# Altium PCB GridSeed.PcbDoc (part 3 of 4) (continued)
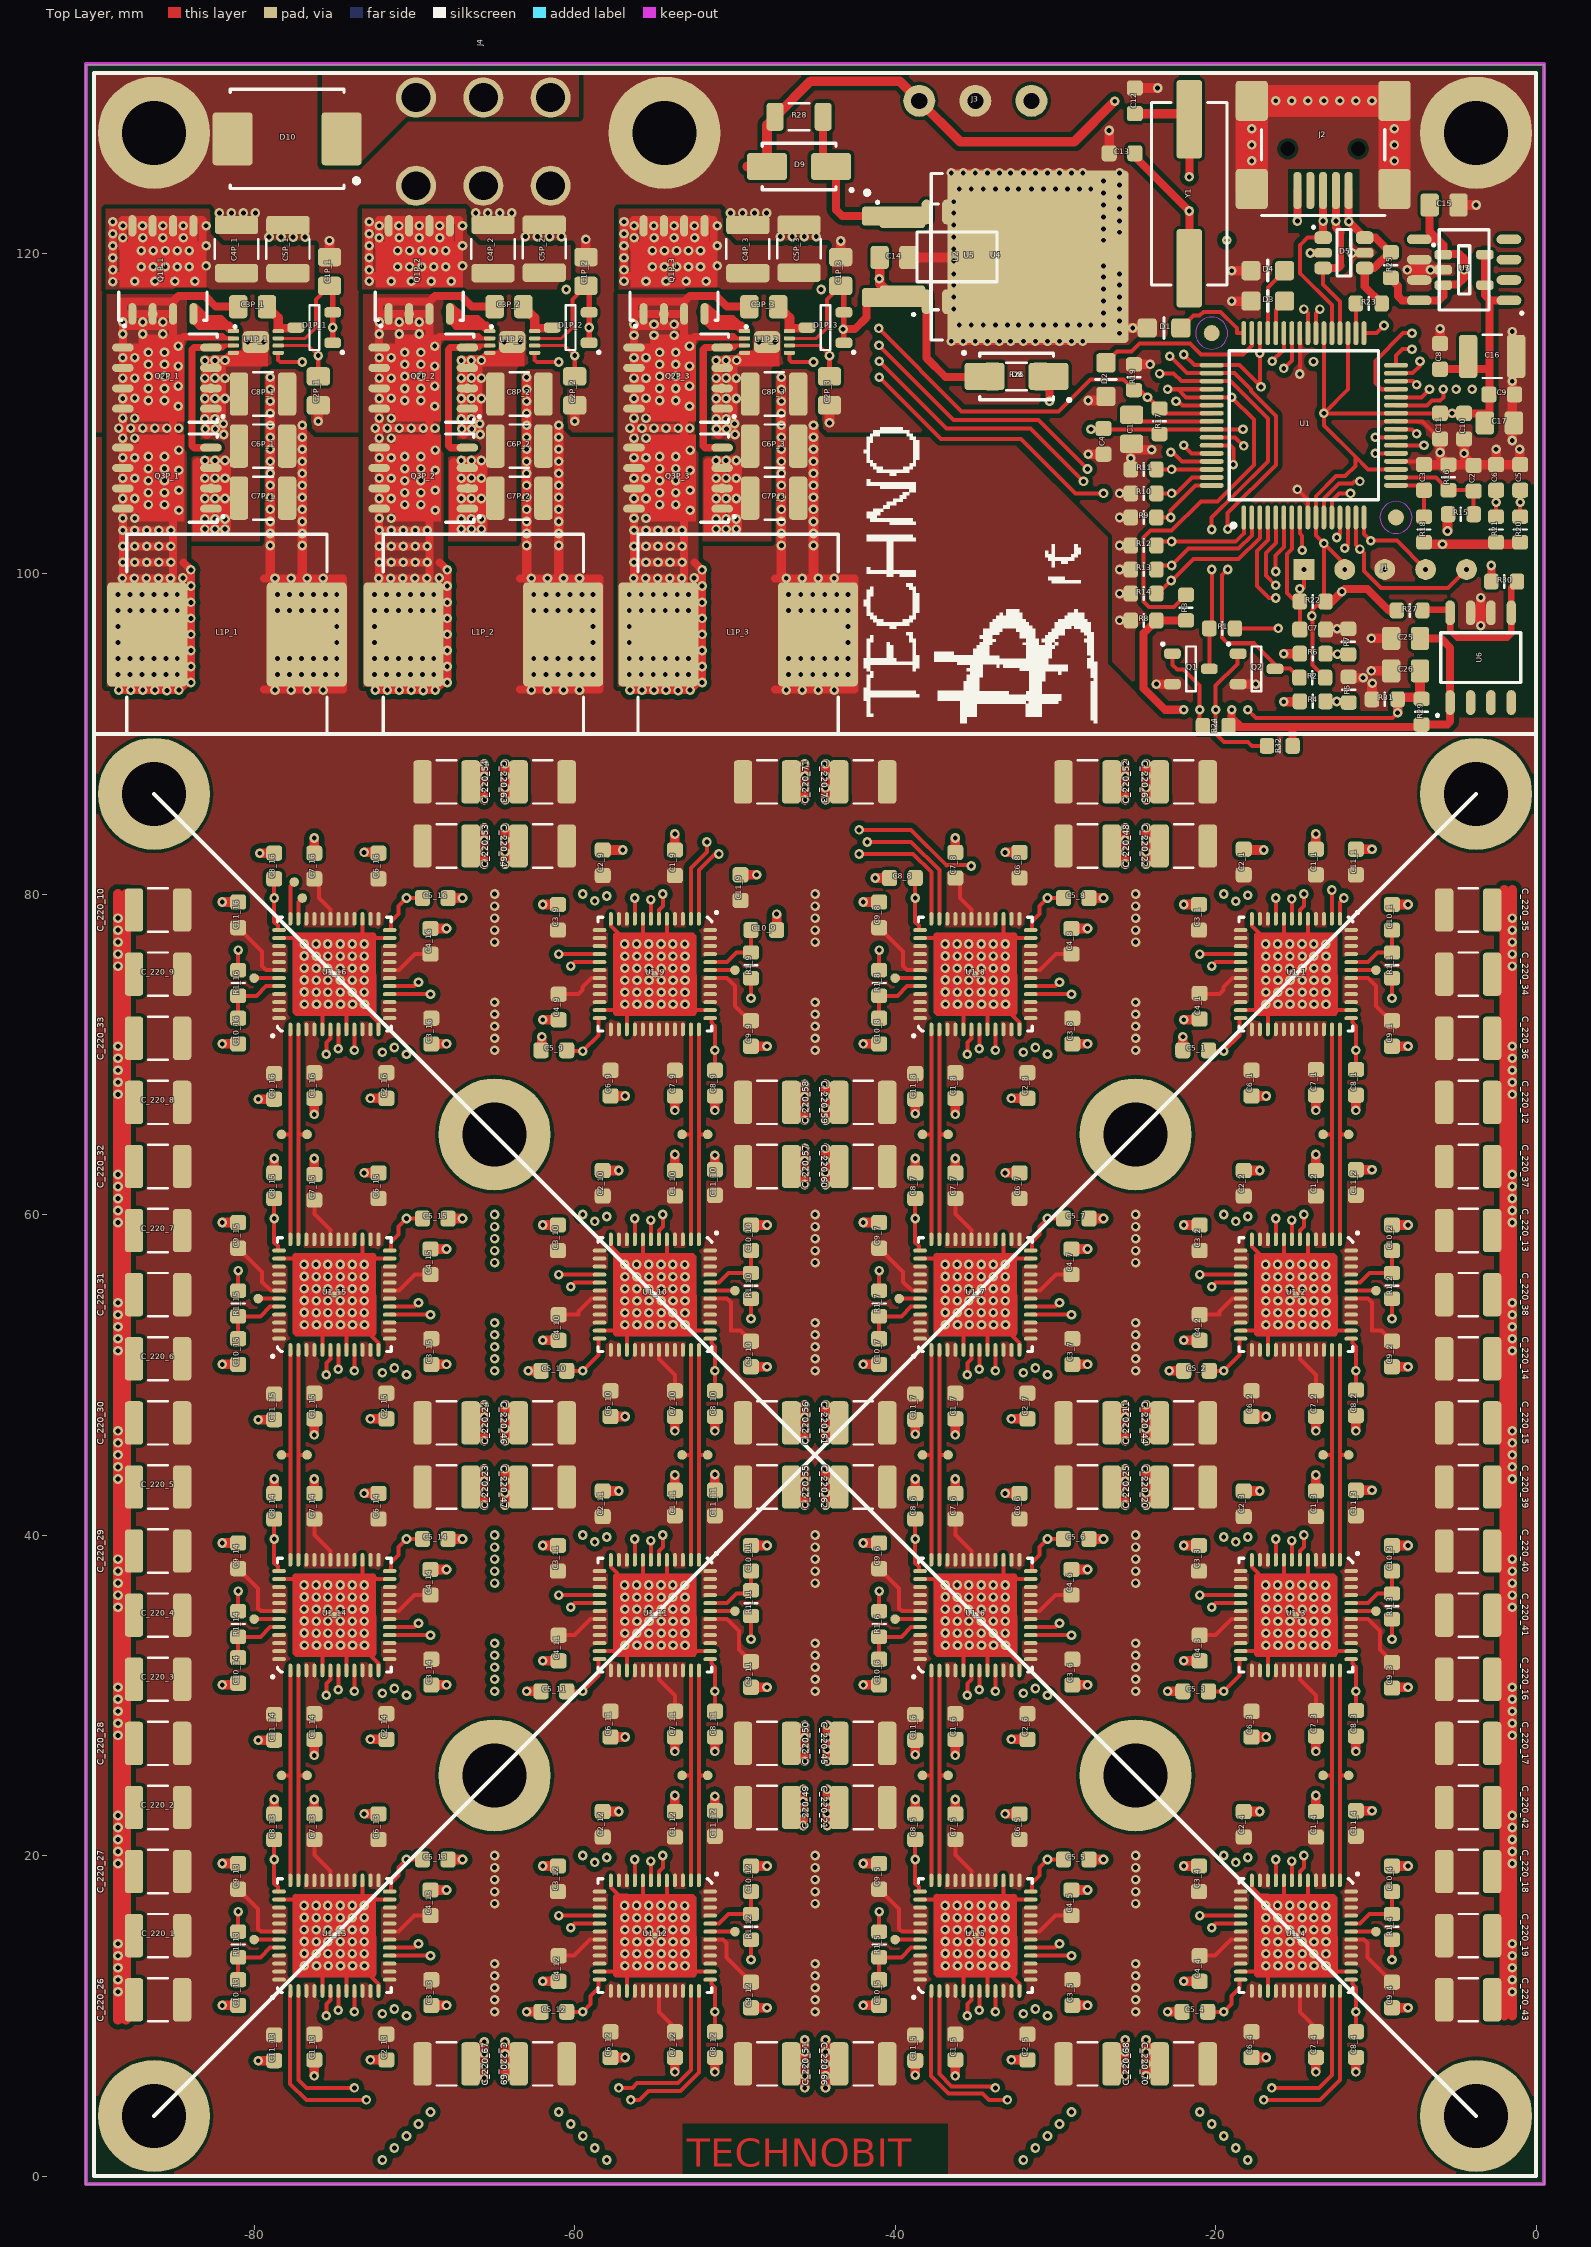
[diagram p0: Top Layer view]
## Nets (pads, with @x,y where several pads share a name; then routed paths per layer and width w, separated by ;. In a path a pad name is that pad's centre, name@x,y a point inside that pad or via, vN(x,y) a via of type N, cw(c..) or ccw(c..) an arc to the next point about the centre after c; other vN are vias at no path point) (continued)
  Top Layer w0.6: -88.5,9.75 v1(-88.5,30.5) v1(-88.5,51.5) v1(-88.5,59.5) v1(-88.5,61.75) v1(-88.5,69) v1(-88.5,70.5) v1(-88.5,78.5) -88.5,80 ; C_220_26.2@-88,9.75 -88,15 -88,20.25 -88,22.5 -88,28.25 -88,36.25 -88,39 -88,44.25 -88,51 -88,54.5 -88,59 -88,61 -88,67 -88,67.5 -88,70.5 -88,75 -88,76.25 -88,78.5 C_220_10.2@-88,80 ; -83.55,102.7 -83.55,104.045 -83.55,106.95 ; v1@-82.95,102.95 -82.95,105.955 v1@-82.95,107.048 ; -82.95,108.7 -82.95,110.925 -82.95,112.195 -82.95,112.83 v1@-82.95,113.293 ; -82.75,102.7 -82.75,104.68 -82.75,105.315 -82.75,106.95 ; v1@-82.245,113.293 -82.238,113.3 v1@-82.075,113.3 ; v1@-82.045,102.7 -82.045,105.315 -82.045,107.048 -82.038,107.055 v1@-81.875,107.055 ; v1@-82.045,108.7 -82.045,109.65 v1@-82.045,113.293 ; v1(-82,10.65) C10_13.2@-81,10.65 ; v1(-82,19.5) C9_13.2@-81,19.5 ; v1(-82,30.65) C10_14.2@-81,30.65 ; v1(-82,39.5) C9_14.2@-81,39.5 ; v1(-82,50.65) C10_15.2@-81,50.65 ; v1(-82,59.5) C9_15.2@-81,59.5 ; v1(-82,70.65) C10_16.2@-81,70.65 ; v1(-82,79.5) C11_16.2@-81,79.5 ; v1@-81.75,102.775 -81.75,105.95 v1@-81.75,106.95 ; v1(-79.75,7.2) C11_13.2@-78.75,7.2 ; v1(-79.75,27.2) C11_14.2@-78.75,27.2 ; v1(-79.75,47.2) C11_15.2@-78.75,47.2 ; v1(-79.75,67.2) C9_16.2@-78.75,67.2 ; v1(-79.65,82.55) C8_16.2@-78.75,82.55 ; C8_13.2@-78.75,22.6 v1(-78.75,23.5) ; C8_14.2@-78.75,42.6 v1(-78.75,43.5) ; C8_15.2@-78.75,62.6 v1(-78.75,63.5) ; v1(-76.25,6.25) C1_13.2@-76.25,7.25 ; C7_13.2@-76.25,22.6 v1(-76.25,23.5) ; v1(-76.25,26.25) C1_14.2@-76.25,27.25 ; C7_14.2@-76.25,42.6 v1(-76.25,43.5) ; v1(-76.25,46.25) C1_15.2@-76.25,47.25 ; C7_15.2@-76.25,62.6 v1(-76.25,63.5) ; v1(-76.25,66.25) C1_16.2@-76.25,67.25 ; C7_16.2@-76.25,82.6 v1(-76.25,83.5) ; v1(-76,109.5) C2P_1.2@-76,110.5 ; C1P_1.1@-75.3,119.775 v1(-75.3,120.775) ; v1(-73.143,22.6) C6_13.2@-72.243,22.6 ; v1(-73.143,42.6) C6_14.2@-72.243,42.6 ; v1(-73.143,62.6) C6_15.2@-72.243,62.6 ; v1(-73.143,82.6) C6_16.2@-72.243,82.6 ; v1(-72.75,7.25) C2_13.2@-71.75,7.25 ; v1(-72.75,27.25) C2_14.2@-71.75,27.25 ; v1(-72.75,47.25) C2_15.2@-71.75,47.25 ; v1(-72.75,67.25) C2_16.2@-71.75,67.25 ; C4_13.2@-69,17.85 v1(-68,17.85) ; C4_14.2@-69,37.85 v1(-68,37.85) ; C4_15.2@-69,57.85 v1(-68,57.85) ; C4_16.2@-69,77.85 v1(-68,77.85) ; C3_13.2@-68.95,10.65 v1(-68,10.65) ; C3_14.2@-68.95,30.65 v1(-68,30.65) ; C3_15.2@-68.95,50.65 v1(-68,50.65) ; C3_16.2@-68.95,70.65 v1(-68,70.65) ; C5_13.1@-67.9,19.75 v1(-67,19.75) ; C5_14.1@-67.9,39.75 v1(-67,39.75) ; C5_15.1@-67.9,59.75 v1(-67,59.75) ; C5_16.1@-67.9,79.75 v1(-67,79.75) ; -67.55,102.7 -67.55,106.95 ; v1@-66.95,102.95 -66.95,104.045 -66.95,105.955 v1@-66.95,107.048 ; -66.95,108.7 -66.95,110.29 -66.95,112.195 v1@-66.95,113.293 ; -66.75,102.7 -66.75,104.045 -66.75,105.315 -66.75,105.955 -66.75,106.95 ; v1@-66.245,113.293 -66.238,113.3 v1@-66.075,113.3 ; v1@-66.045,102.7 -66.045,104.68 -66.045,105.955 -66.045,107.048 -66.038,107.055 v1@-65.875,107.055 ; v1@-66.045,108.7 -66.045,110.29 -66.045,112.2 v1@-66.045,113.293 ; v1@-65.75,102.775 v1@-65.75,106.95 ; v1(-65.65,6.125) v1(-65.65,6.875) v1(-65.65,7.625) v1(-65.65,8.375) ; v1(-65.65,41.875) v1(-65.65,42.625) v1(-65.65,43.375) v1(-65.65,44.125) ; v1(-65.65,45.875) v1(-65.65,46.625) v1(-65.65,47.375) v1(-65.65,48.125) ; v1(-65.65,81.875) v1(-65.65,82.625) v1(-65.65,83.375) v1(-65.65,84.125) ; v1(-65.65,85.875) v1(-65.65,86.625) v1(-65.65,87.375) v1(-65.65,88.125) ; v1(-64.35,6.125) v1(-64.35,6.875) v1(-64.35,7.625) v1(-64.35,8.375) ; v1(-64.35,41.875) v1(-64.35,42.625) v1(-64.35,43.375) v1(-64.35,44.125) ; v1(-64.35,45.875) v1(-64.35,46.625) v1(-64.35,47.375) v1(-64.35,48.125) ; v1(-64.35,81.875) v1(-64.35,82.625) v1(-64.35,83.375) v1(-64.35,84.125) ; v1(-64.35,85.875) v1(-64.35,86.625) v1(-64.35,87.375) v1(-64.35,88.125) ; v1(-63,10.25) C5_12.1@-62.1,10.25 ; v1(-63,30.25) C5_11.1@-62.1,30.25 ; v1(-62.9,50.25) C5_10.1@-62,50.25 ; C5_9.1@-62.05,70.2 v1(-62.05,71.1) ; v1(-62,12.15) C4_12.2@-61,12.15 ; v1(-62,19.35) C3_12.2@-61.05,19.35 ; v1(-62,32.15) C4_11.2@-61,32.15 ; v1(-62,39.35) C3_11.2@-61.05,39.35 ; v1(-62,52.15) C4_10.2@-61,52.15 ; v1(-62,59.35) C3_10.2@-61.05,59.35 ; v1(-62,72.15) C4_9.2@-61,72.15 ; v1(-62,79.35) C3_9.2@-61.05,79.35 ; v1(-60,109.5) C2P_2.2@-60,110.5 ; C1P_2.1@-59.3,119.85 v1(-59.3,120.85) ; C2_12.2@-58.25,22.75 v1(-57.25,22.75) ; C2_11.2@-58.25,42.75 v1(-57.25,42.75) ; C2_10.2@-58.25,62.75 v1(-57.25,62.75) ; C2_9.2@-58.25,82.75 v1(-57,82.75) ; C6_12.2@-57.757,7.4 v1(-56.857,7.4) ; C6_11.2@-57.757,27.4 v1(-56.857,27.4) ; C6_10.2@-57.757,47.4 v1(-56.857,47.4) ; C6_9.2@-57.757,67.4 v1(-56.857,67.4) ; v1(-53.75,6.5) C7_12.2@-53.75,7.4 ; C1_12.2@-53.75,22.75 v1(-53.75,23.75) ; v1(-53.75,26.5) C7_11.2@-53.75,27.4 ; C1_11.2@-53.75,42.75 v1(-53.75,43.75) ; v1(-53.75,46.5) C7_10.2@-53.75,47.4 ; C1_10.2@-53.75,62.75 v1(-53.75,63.75) ; v1(-53.75,66.5) C7_9.2@-53.75,67.4 ; C1_9.2@-53.75,82.75 v1(-53.75,83.75) ; -51.65,102.7 -51.65,104.045 -51.65,106.95 ; v1(-51.25,6.5) C8_12.2@-51.25,7.4 ; C11_12.2@-51.25,22.8 v1(-51.25,23.7) ; v1(-51.25,26.5) C8_11.2@-51.25,27.4 ; C11_11.2@-51.25,42.875 v1(-51.25,43.775) ; v1(-51.25,46.5) C8_10.2@-51.25,47.4 ; C11_10.2@-51.25,62.8 v1(-51.25,63.7) ; v1(-51.25,66.5) C8_9.2@-51.25,67.4 ; v1@-51.05,102.95 -51.05,104.045 -51.05,105.315 -51.05,105.955 v1@-51.05,107.048 ; -51.05,108.7 -51.05,110.29 -51.05,112.195 v1@-51.05,113.293 ; -50.85,102.7 -50.85,102.775 -50.85,105.315 -50.85,106.585 -50.85,106.95 ; v1@-50.345,113.293 -50.338,113.3 v1@-50.175,113.3 ; v1@-50.145,102.7 -50.145,104.68 -50.145,106.585 -50.145,107.048 -50.138,107.055 v1@-49.975,107.055 ; v1@-50.145,108.7 -50.145,110.29 -50.145,110.925 v1@-50.145,113.293 ; v1@-49.85,102.775 -49.85,105.315 v1@-49.85,106.95 ; C11_9.2@-49.65,81.2 v1(-48.65,81.2) ; C9_12.2@-49,10.5 v1(-48,10.5) ; C10_12.2@-49,19.35 v1(-48,19.35) ; C9_11.2@-49,30.5 v1(-48,30.5) ; C10_11.2@-49,39.35 v1(-48,39.35) ; C9_10.2@-49,50.5 v1(-48,50.5) ; C10_10.2@-49,59.35 v1(-48,59.35) ; C9_9.2@-49,70.5 v1(-48,70.5) ; C10_9.2@-47.4,77.75 v1(-47.4,78.75) ; v1(-45.75,21.875) v1(-45.75,22.625) v1(-45.75,23.375) v1(-45.75,24.125) ; v1(-45.65,5.5) v1(-45.65,6.25) v1(-45.65,7) v1(-45.65,7.75) v1(-45.65,8.5) ; v1(-45.65,25.875) v1(-45.65,26.625) v1(-45.65,27.375) v1(-45.65,28.125) ; v1(-45.65,41.875) v1(-45.65,42.625) v1(-45.65,43.375) v1(-45.65,44.125) ; v1(-45.65,45.875) v1(-45.65,46.625) v1(-45.65,47.375) v1(-45.65,48.125) ; v1(-45.65,61.875) v1(-45.65,62.625) v1(-45.65,63.375) v1(-45.65,64.125) ; v1(-45.65,65.875) v1(-45.65,66.625) v1(-45.65,67.375) v1(-45.65,68.125) ; v1(-45.65,85.875) v1(-45.65,86.625) v1(-45.65,87.375) v1(-45.65,88.125) ; v1(-44.35,5.5) v1(-44.35,6.25) v1(-44.35,7) v1(-44.35,7.75) v1(-44.35,8.5) ; v1(-44.35,41.875) v1(-44.35,42.625) v1(-44.35,43.375) v1(-44.35,44.125) ; v1(-44.35,45.875) v1(-44.35,46.625) v1(-44.35,47.375) v1(-44.35,48.125) ; v1(-44.35,61.875) v1(-44.35,62.625) v1(-44.35,63.375) v1(-44.35,64.125) ; v1(-44.35,65.875) v1(-44.35,66.625) v1(-44.35,67.375) v1(-44.35,68.125) ; v1(-44.35,85.875) v1(-44.35,86.625) v1(-44.35,87.375) v1(-44.35,88.125) ; v1(-44.25,21.875) v1(-44.25,22.625) v1(-44.25,23.375) v1(-44.25,24.125) ; v1(-44.25,25.875) v1(-44.25,26.625) v1(-44.25,27.375) v1(-44.25,28.125) ; v1(-44.1,109.4) C2P_3.2@-44.1,110.4 ; C1P_3.1@-43.4,119.75 v1(-43.4,120.75) ; v1(-42,10.65) C10_5.2@-41,10.65 ; v1(-42,19.5) C9_5.2@-41,19.5 ; v1(-42,30.65) C10_6.2@-41,30.65 ; v1(-42,39.5) C9_6.2@-41,39.5 ; v1(-42,50.65) C10_7.2@-41,50.65 ; v1(-42,59.5) C9_7.2@-41,59.5 ; v1(-42,70.65) C10_8.2@-41,70.65 ; v1(-42,79.5) C9_8.2@-41,79.5 ; v1(-41.25,81) C8_8.2@-40.35,81 ; C14.2@-39.175,119.725 -36.35,119.725 -31.14,119.725 U4.2@-31.1,119.765 ; v1(-38.75,6.3) C11_5.2@-38.75,7.2 ; C8_5.2@-38.75,22.6 v1(-38.75,23.5) ; v1(-38.75,26.3) C11_6.2@-38.75,27.2 ; C8_6.2@-38.75,42.6 v1(-38.75,43.5) ; v1(-38.75,46.3) C11_7.2@-38.75,47.2 ; C8_7.2@-38.75,62.6 v1(-38.75,63.5) ; v1(-38.75,66.3) C11_8.2@-38.75,67.2 ; v1(-36.25,6.25) C1_5.2@-36.25,7.25 ; C7_5.2@-36.25,22.6 v1(-36.25,23.5) ; v1(-36.25,26.25) C1_6.2@-36.25,27.25 ; C7_6.2@-36.25,42.6 v1(-36.25,43.5) ; v1(-36.25,46.25) C1_7.2@-36.25,47.25 ; C7_7.2@-36.25,62.6 v1(-36.25,63.5) ; v1(-36.25,66.25) C1_8.2@-36.25,67.25 ; C7_8.2@-36.25,82.6 v1(-36.25,83.5) ; v1(-33.143,22.6) C6_5.2@-32.243,22.6 ; v1(-33.143,42.6) C6_6.2@-32.243,42.6 ; v1(-33.143,62.6) C6_7.2@-32.243,62.6 ; v1(-33.143,82.6) C6_8.2@-32.243,82.6 ; v1(-32.75,7.25) C2_5.2@-31.75,7.25 ; v1(-32.75,27.25) C2_6.2@-31.75,27.25 ; v1(-32.75,47.25) C2_7.2@-31.75,47.25 ; v1(-32.75,67.25) C2_8.2@-31.75,67.25 ; C4_5.2@-29,17.85 v1(-28,17.85) ; C4_6.2@-29,37.85 v1(-28,37.85) ; C4_7.2@-29,57.85 v1(-28,57.85) ; C4_8.2@-29,77.85 v1(-28,77.85) ; C3_5.2@-28.95,10.65 v1(-28,10.65) ; C3_6.2@-28.95,30.65 v1(-28,30.65) ; C3_7.2@-28.95,50.65 v1(-28,50.65) ; C3_8.2@-28.95,70.65 v1(-28,70.65) ; v1(-27.95,107.45) C4.2@-27,107.45 ; v1(-27.95,110.8) -27.1,110.8 D2.1@-26.85,111.05 ; C5_5.1@-27.9,19.75 v1(-27,19.75) ; C5_6.1@-27.9,39.75 v1(-27,39.75) ; C5_7.1@-27.9,59.75 v1(-27,59.75) ; C5_8.1@-27.9,79.75 v1(-27,79.75) ; C13.2@-26.65,126.225 v1(-26.65,127.65) ; v1(-26,97.075) R8.2@-25.3,97.075 ; v1(-26,98.75) R14.1@-25.3,98.75 ; v1(-26,100.25) R13.1@-25.3,100.25 ; v1(-26,101.75) R12.1@-25.3,101.75 ; v1(-26,103.5) R9.2@-25.3,103.5 ; v1(-26,105) R10.2@-25.3,105 ; v1(-25.65,6.25) v1(-25.65,7) v1(-25.65,7.75) v1(-25.65,8.5) ; v1(-25.65,41.875) v1(-25.65,42.625) v1(-25.65,43.375) v1(-25.65,44.125) ; v1(-25.65,45.875) v1(-25.65,46.625) v1(-25.65,47.375) v1(-25.65,48.125) ; v1(-25.65,81.875) v1(-25.65,82.625) v1(-25.65,83.375) v1(-25.65,84.125) ; v1(-25.65,85.875) v1(-25.65,86.625) v1(-25.65,87.375) v1(-25.65,88.125) ; v1@-25.392,115.325 v1(-25.175,115.325) D1.1@-24.275,115.325 ; R11.2@-25.3,106.5 v1(-25.3,107.2) -25.3,108.05 C1.2@-25.25,108.1 -24.875,107.725 v1(-24,107.725) ; R19.1@-25.1,113.05 v1(-24.092,113.05) ; C12.2@-25.05,130.3 v1(-23.625,130.3) ; v1(-24.35,6.25) v1(-24.35,7) v1(-24.35,7.75) v1(-24.35,8.5) ; v1(-24.35,41.875) v1(-24.35,42.625) v1(-24.35,43.375) v1(-24.35,44.125) ; v1(-24.35,45.875) v1(-24.35,46.625) v1(-24.35,47.375) v1(-24.35,48.125) ; v1(-24.35,81.875) v1(-24.35,82.625) v1(-24.35,83.375) v1(-24.35,84.125) ; v1(-24.35,85.875) v1(-24.35,86.625) v1(-24.35,87.375) v1(-24.35,88.125) ; v1(-23.7,93.1) Q1.2@-22.7,93.1 ; v1(-23,10.25) C5_4.1@-22.1,10.25 ; v1(-23,30.25) C5_3.1@-22.1,30.25 ; v1(-22.9,50.25) C5_2.1@-22,50.25 ; C5_1.1@-22.05,70.2 v1(-22.05,71.1) ; v1(-22,12.15) C4_4.2@-21,12.15 ; v1(-22,19.35) C3_4.2@-21.05,19.35 ; v1(-22,32.15) C4_3.2@-21,32.15 ; v1(-22,39.35) C3_3.2@-21.05,39.35 ; v1(-22,52.15) C4_2.2@-21,52.15 ; v1(-22,59.35) C3_2.2@-21.05,59.35 ; v1(-22,72.15) C4_1.2@-21,72.15 ; v1(-22,79.35) C3_1.2@-21.05,79.35 ; v1(-19,117) D3.1@-17.8,117 ; v1(-19,118.9) D4.1@-17.8,118.9 ; Q2.2@-18.6,93.1 v1(-17.5,93.1) ; C2_4.2@-18.25,22.75 v1(-17.25,22.75) ; C2_3.2@-18.25,42.75 v1(-17.25,42.75) ; C2_2.2@-18.25,62.75 v1(-17.25,62.75) ; C2_1.2@-18.25,82.75 v1(-17,82.75) ; C6_4.2@-17.757,7.4 v1(-16.857,7.4) ; C6_3.2@-17.757,27.4 v1(-16.857,27.4) ; C6_2.2@-17.757,47.4 v1(-16.857,47.4) ; C6_1.2@-17.757,67.4 v1(-16.857,67.4) ; v1(-13.75,6.5) C7_4.2@-13.75,7.4 ; C1_4.2@-13.75,22.75 v1(-13.75,23.75) ; v1(-13.75,26.5) C7_3.2@-13.75,27.4 ; C1_3.2@-13.75,42.75 v1(-13.75,43.75) ; v1(-13.75,46.5) C7_2.2@-13.75,47.4 ; C1_2.2@-13.75,62.75 v1(-13.75,63.75) ; v1(-13.75,66.5) C7_1.2@-13.75,67.4 ; C1_1.2@-13.75,82.75 C1_1.2@-13.75,82.8 v1(-13.75,83.75) ; C7.2@-13,96.5 -13.05,96.55 v1(-12.425,96.55) R7.1@-11.725,96.55 ; R5.1@-11.675,93.5 -11.625,93.5 v1(-10.8,93.5) ; v1(-11.25,6.5) C8_4.2@-11.25,7.4 ; C11_4.2@-11.25,22.8 v1(-10.25,22.8) ; v1(-11.25,26.5) C8_3.2@-11.25,27.4 ; C11_3.2@-11.25,42.8 v1(-10.25,42.8) ; v1(-11.25,46.5) C8_2.2@-11.25,47.4 ; C11_2.2@-11.25,62.8 v1(-10.25,62.8) ; v1(-11.25,66.5) C8_1.2@-11.25,67.4 ; C11_1.2@-11.25,82.8 v1(-10.25,82.8) ; v1(-10.287,93.925) C26.2@-9.05,93.925 ; v1(-10.287,95.95) C25.1@-9.05,95.95 ; R31.1@-10.25,92.15 v1@-10.25,93.15 ; J2.9@-9.1,123.75 J2.9@-8.85,124 ; C9_4.2@-9,10.5 v1(-8,10.5) ; C10_4.2@-9,19.35 v1(-8,19.35) ; C9_3.2@-9,30.5 v1(-8,30.5) ; C10_3.2@-9,39.35 v1(-8,39.35) ; C9_2.2@-9,50.5 v1(-8,50.5) ; C10_2.2@-9,59.35 v1(-8,59.35) ; C9_1.2@-9,70.5 v1(-8,70.5) ; C10_1.2@-9,79.35 v1(-8,79.35) ; v1(-8.05,118.95) -8.025,118.975 -7.3,118.975 ; U7.7@-7.3,118.315 -7.3,118.975 ; U7.6@-7.3,119.585 -7.3,118.975 ; C3.2@-7,106.8 R16.1@-5.5,106.8 ; C8.2@-6.001,114.35 -6,114.351 v1(-6,115.275) ; C11.2@-6,108.4 v1(-6,107.55) -6,107.3 R16.1@-5.5,106.8 ; U3.2@-5.8,118.975 -7.3,118.975 ; C15.2@-4.85,123 v1(-3.75,123) ; C10.2@-4.5,108.4 v1(-4.5,107.5) -4.5,107.298 C2.2@-4.002,106.8 ; U6.7@-4.097,97.55 -3.462,97.55 ; v1@-3.462,96.85 -3.462,97.55 ; v1(-3.462,98.5) -3.462,97.55 ; U6.6@-2.827,97.55 -3.462,97.55 ; v1(-2.5,107.75) C6.2@-2.5,106.8 ; -2,10 -2,14.5 -2,21 -2,23 -2,27.5 -2,31 -2,37 -2,43 -2,45 -2,47 -2,59 -2,60.25 -2,62.5 -2,67 -2,70.5 -2,78.5 -2,80.25 ; -1.5,10 v1(-1.5,21.75) v1(-1.5,36.25) v1(-1.5,37.75) v1(-1.5,53) v1(-1.5,61.75) v1(-1.5,69) -1.5,80.25 ; v1(-1.5,108.3) -1.5,111.175 v1(-1.5,115.1) ; C5.2@-1.039,106.839 v1(-1.039,107.75) ; C5.2@-1,106.8 C6.2@-2.5,106.8 ; R16.1@-5.5,106.8 C2.2@-4.002,106.8 ; C2.2@-4.002,106.8 C6.2@-2.5,106.8
  Top Layer w2: J2.6@-17.75,124 v1(-17.75,125.75) v1(-17.75,126.75) v1(-17.75,127.75) J2.7@-17.75,129.5 v1(-16.25,129.5) v1(-15.25,129.5) v1(-14.25,129.5) v1(-13.25,129.5) v1(-12.25,129.5) v1(-10.25,129.5) J2.8@-8.85,129.5 v1(-8.85,127.75) v1(-8.85,126.75) v1(-8.85,125.75) J2.9@-8.85,124
  other v1: -88.5,11.5 -1.5,11.5 -88.5,12.25 -1.5,12.25 -88.5,13 -1.5,13 -88.5,13.75 -1.5,13.75 -88.5,14.5 -1.5,14.5 -88.5,19.5 -1.5,19.5 -88.5,20.25 -1.5,20.25 -88.5,21 -1.5,21 -88.5,21.75 -88.5,22.5 -1.5,22.5 -88.5,27.5 -1.5,27.5 -88.5,28.25 -1.5,28.25 -88.5,29 -1.5,29 -88.5,29.75 -1.5,29.75 -1.5,30.5 -88.5,35.5 -1.5,35.5 -88.5,36.25 -88.5,37 -1.5,37 -88.5,37.75 -88.5,38.5 -1.5,38.5 -88.5,43.5 -1.5,43.5 -88.5,44.25 -1.5,44.25 -88.5,45 -1.5,45 -88.5,45.75 -1.5,45.75 -88.5,46.5 -1.5,46.5 -1.5,51.5 -88.5,52.25 -1.5,52.25 -88.5,53 -88.5,53.75 -1.5,53.75 -88.5,54.5 -1.5,54.5 -1.5,59.5 -88.5,60.25 -1.5,60.25 -88.5,61 -1.5,61 -88.5,62.5 -1.5,62.5 -88.5,67.5 -1.5,67.5 -88.5,68.25 -1.5,68.25 -88.5,69.75 -1.5,69.75 -1.5,70.5 -88.5,75.5 -1.5,75.5 -88.5,76.25 -1.5,76.25 -88.5,77 -1.5,77 -88.5,77.75 -1.5,77.75 -1.5,78.5 -10.225,93.15 -3.462,96.75 -9.45,100.25 -83.075,102.775 -82.45,102.775 -81.825,102.775 -67.075,102.775 -66.45,102.775 -65.825,102.775 -51.175,102.775 -50.55,102.775 -49.925,102.775 -83.075,103.405 -82.45,103.405 -81.825,103.405 -67.075,103.405 -66.45,103.405 -65.825,103.405 -51.175,103.405 -50.55,103.405 -49.925,103.405 -83.075,104.68 -82.45,104.68 -81.825,104.68 -67.075,104.68 -66.45,104.68 -65.825,104.68 -51.175,104.68 -50.55,104.68 -49.925,104.68 -83.075,105.95 -82.45,105.955 -81.825,105.95 -67.075,105.95 -66.45,105.955 -65.825,105.95 -51.175,105.95 -50.55,105.955 -49.925,105.95 -83.075,107.055 -82.45,107.055 -81.825,107.055 -67.075,107.055 -66.45,107.055 -65.825,107.055 -51.175,107.055 -50.55,107.055 -49.925,107.055 -81.9,108.675 -65.9,108.675 -50,108.675 -83.05,109.025 -82.425,109.025 -67.05,109.025 -66.425,109.025 -51.15,109.025 -50.525,109.025 -81.925,109.35 -65.925,109.35 -50.025,109.35 -83.075,109.65 -82.45,109.65 -67.075,109.65 -66.45,109.65 -51.175,109.65 -50.55,109.65 -83.075,110.925 -82.45,110.925 -81.825,110.925 -67.075,110.925 -66.45,110.925 -65.825,110.925 -51.175,110.925 -50.55,110.925 -49.925,110.925 -1.5,112 -83.075,112.195 -81.825,112.195 -67.075,112.195 -65.825,112.195 -51.175,112.195 -49.925,112.195 -82.45,112.2 -66.45,112.2 -50.55,112.2 -83.075,113.3 -82.45,113.3 -81.825,113.3 -67.075,113.3 -66.45,113.3 -65.825,113.3 -51.175,113.3 -50.55,113.3 -49.9,113.3 -80.4,114.45 -79.4,114.45 -64.4,114.45 -63.4,114.45 -48.5,114.45 -47.5,114.45 -32.8,114.5 -28.3,114.5 -32.3,115.5 -27.8,115.5 -36.35,118.7 -26,118.7 -6.6,118.95 -27,119.2 -11.5,120 -27,120.8 -79.075,121 -78.325,121 -77.575,121 -76.825,121 -63.075,121.025 -62.325,121.025 -61.575,121.025 -60.825,121.025 -47.175,121.025 -46.425,121.025 -45.675,121.025 -44.925,121.025 -26,121.3 -82.175,122.5 -81.425,122.5 -80.675,122.5 -79.925,122.5 -66.175,122.5 -65.425,122.5 -64.675,122.5 -63.925,122.5 -50.275,122.5 -49.525,122.5 -48.775,122.5 -48.025,122.5 -36.35,123.2 -32.3,124 -27.8,124 -32.8,125 -28.3,125 -11.25,129.5
  other v2: -76.865,13.125 -76.115,13.12 -75.385,13.12 -74.615,13.12 -73.865,13.12 -73.115,13.12 -55.365,13.12 -54.595,13.12 -53.865,13.12 -53.115,13.115 -36.865,13.125 -36.115,13.12 -35.385,13.12 -34.615,13.12 -33.865,13.12 -33.115,13.12 -15.365,13.12 -14.595,13.12 -13.865,13.12 -13.115,13.115 -56.12,13.871 -16.12,13.871 -76.88,13.885 -76.129,13.88 -75.4,13.88 -74.629,13.88 -73.88,13.88 -73.129,13.88 -36.88,13.885 -36.129,13.88 -35.4,13.88 -34.629,13.88 -33.88,13.88 -33.129,13.88 -76.88,14.635 -76.129,14.629 -75.4,14.629 -74.629,14.629 -73.88,14.629 -73.129,14.629 -56.865,14.625 -56.115,14.625 -55.365,14.625 -54.595,14.625 -53.865,14.625 -53.115,14.62 -36.88,14.635 -36.129,14.629 -35.4,14.629 -34.629,14.629 -33.88,14.629 -33.129,14.629 -16.865,14.625 -16.115,14.625 -15.365,14.625 -14.595,14.625 -13.865,14.625 -13.115,14.62 -56.871,15.371 -54.6,15.371 -16.871,15.371 -14.6,15.371 -76.885,15.38 -76.135,15.375 -75.405,15.375 -74.635,15.375 -73.885,15.375 -73.135,15.375 -36.885,15.38 -36.135,15.375 -35.405,15.375 -34.635,15.375 -33.885,15.375 -33.135,15.375 -76.88,16.135 -76.129,16.129 -75.4,16.129 -74.629,16.129 -73.88,16.129 -73.129,16.129 -56.871,16.12 -56.12,16.12 -55.371,16.12 -54.6,16.12 -53.871,16.12 -36.88,16.135 -36.129,16.129 -35.4,16.129 -34.629,16.129 -33.88,16.129 -33.129,16.129 -16.871,16.12 -16.12,16.12 -15.371,16.12 -14.6,16.12 -13.871,16.12 -76.885,16.885 -76.135,16.88 -75.405,16.88 -74.635,16.88 -73.885,16.88 -73.135,16.88 -56.135,16.88 -55.385,16.88 -54.615,16.88 -53.885,16.88 -36.885,16.885 -36.135,16.88 -35.405,16.88 -34.635,16.88 -33.885,16.88 -33.135,16.88 -16.135,16.88 -15.385,16.88 -14.615,16.88 -13.885,16.88 -76.865,33.125 -76.115,33.12 -75.385,33.12 -74.615,33.12 -73.865,33.12 -73.115,33.12 -56.865,33.12 -56.115,33.12 -55.365,33.12 -54.595,33.12 -53.865,33.12 -53.115,33.115 -36.865,33.125 -36.115,33.12 -35.385,33.12 -34.615,33.12 -33.865,33.12 -33.115,33.12 -16.865,33.12 -16.115,33.12 -15.365,33.12 -14.595,33.12 -13.865,33.12 -13.115,33.115 -76.88,33.885 -76.129,33.88 -75.4,33.88 -74.629,33.88 -73.88,33.88 -73.129,33.88 -56.871,33.871 -56.12,33.871 -55.371,33.871 -54.6,33.871 -53.871,33.871 -53.12,33.865 -36.88,33.885 -36.129,33.88 -35.4,33.88 -34.629,33.88 -33.88,33.88 -33.129,33.88 -16.871,33.871 -16.12,33.871 -15.371,33.871 -14.6,33.871 -13.871,33.871 -13.12,33.865 -56.865,34.625 -56.115,34.625 -55.365,34.625 -54.595,34.625 -53.865,34.625 -53.115,34.62 -16.865,34.625 -16.115,34.625 -15.365,34.625 -14.595,34.625 -13.865,34.625 -13.115,34.62 -76.88,34.635 -76.129,34.629 -75.4,34.629 -74.629,34.629 -73.88,34.629 -73.129,34.629 -36.88,34.635 -36.129,34.629 -35.4,34.629 -34.629,34.629 -33.88,34.629 -33.129,34.629 -76.885,35.38 -76.135,35.375 -75.405,35.375 -74.635,35.375 -73.885,35.375 -73.135,35.375 -56.871,35.371 -56.12,35.371 -55.371,35.371 -54.6,35.371 -53.871,35.371 -53.12,35.365 -36.885,35.38 -36.135,35.375 -35.405,35.375 -34.635,35.375 -33.885,35.375 -33.135,35.375 -16.871,35.371 -16.12,35.371 -15.371,35.371 -14.6,35.371 -13.871,35.371 -13.12,35.365 -56.871,36.12 -56.12,36.12 -55.371,36.12 -54.6,36.12 -53.871,36.12 -53.12,36.115 -16.871,36.12 -16.12,36.12 -15.371,36.12 -14.6,36.12 -13.871,36.12 -13.12,36.115 -76.88,36.135 -76.129,36.129 -75.4,36.129 -74.629,36.129 -73.88,36.129 -73.129,36.129 -36.88,36.135 -36.129,36.129 -35.4,36.129 -34.629,36.129 -33.88,36.129 -33.129,36.129 -76.885,36.885 -76.135,36.88 -75.405,36.88 -74.635,36.88 -73.885,36.88 -73.135,36.88 -56.135,36.88 -55.385,36.88 -54.615,36.88 -53.885,36.88 -53.135,36.875 -36.885,36.885 -36.135,36.88 -35.405,36.88 -34.635,36.88 -33.885,36.88 -33.135,36.88 -16.135,36.88 -15.385,36.88 -14.615,36.88 -13.885,36.88 -13.135,36.875 -53.115,53.115 -13.115,53.115 -76.865,53.125 -76.115,53.12 -75.385,53.12 -74.615,53.12 -73.865,53.12 -73.115,53.12 -56.865,53.12 -56.115,53.12 -55.365,53.12 -54.595,53.12 -53.865,53.12 -36.865,53.125 -36.115,53.12 -35.385,53.12 -34.615,53.12 -33.865,53.12 -33.115,53.12 -16.865,53.12 -16.115,53.12 -15.365,53.12 -14.595,53.12 -13.865,53.12 -56.871,53.871 -56.12,53.871 -55.371,53.871 -54.6,53.871 -53.871,53.871 -53.12,53.865 -16.871,53.871 -16.12,53.871 -15.371,53.871 -14.6,53.871 -13.871,53.871 -13.12,53.865 -76.88,53.885 -76.129,53.88 -75.4,53.88 -74.629,53.88 -73.88,53.88 -73.129,53.88 -36.88,53.885 -36.129,53.88 -35.4,53.88 -34.629,53.88 -33.88,53.88 -33.129,53.88 -76.88,54.635 -76.129,54.629 -75.4,54.629 -74.629,54.629 -73.88,54.629 -73.129,54.629 -56.865,54.625 -56.115,54.625 -55.365,54.625 -54.595,54.625 -53.865,54.625 -53.115,54.62 -36.88,54.635 -36.129,54.629 -35.4,54.629 -34.629,54.629 -33.88,54.629 -33.129,54.629 -16.865,54.625 -16.115,54.625 -15.365,54.625 -14.595,54.625 -13.865,54.625 -13.115,54.62 -76.135,55.375 -75.405,55.375 -74.635,55.375 -73.885,55.375 -73.135,55.375 -56.871,55.371 -56.12,55.371 -55.371,55.371 -54.6,55.371 -53.871,55.371 -53.12,55.365 -36.135,55.375 -35.405,55.375 -34.635,55.375 -33.885,55.375 -33.135,55.375 -16.871,55.371 -16.12,55.371 -15.371,55.371 -14.6,55.371 -13.871,55.371 -13.12,55.365 -76.885,55.38 -36.885,55.38 -53.12,56.115 -13.12,56.115 -76.88,56.135 -76.129,56.129 -75.4,56.129 -74.629,56.129 -73.88,56.129 -73.129,56.129 -56.871,56.12 -56.12,56.12 -55.371,56.12 -54.6,56.12 -53.871,56.12 -36.88,56.135 -36.129,56.129 -35.4,56.129 -34.629,56.129 -33.88,56.129 -33.129,56.129 -16.871,56.12 -16.12,56.12 -15.371,56.12 -14.6,56.12 -13.871,56.12 -53.135,56.875 -13.135,56.875 -76.885,56.885 -76.135,56.88 -75.405,56.88 -74.635,56.88 -73.885,56.88 -73.135,56.88 -56.885,56.88 -56.135,56.88 -55.385,56.88 -54.615,56.88 -53.885,56.88 -36.885,56.885 -36.135,56.88 -35.405,56.88 -34.635,56.88 -33.885,56.88 -33.135,56.88 -16.885,56.88 -16.135,56.88 -15.385,56.88 -14.615,56.88 -13.885,56.88 -76.865,73.125 -76.115,73.12 -75.385,73.12 -74.615,73.12 -73.865,73.12 -73.115,73.12 -56.865,73.12 -56.115,73.12 -55.365,73.12 -54.595,73.12 -53.865,73.12 -53.115,73.115 -36.865,73.125 -36.115,73.12 -35.385,73.12 -34.615,73.12 -33.865,73.12 -33.115,73.12 -16.865,73.12 -16.115,73.12 -15.365,73.12 -14.595,73.12 -13.865,73.12 -13.115,73.115 -53.12,73.865 -13.12,73.865 -76.88,73.885 -76.129,73.88 -75.4,73.88 -74.629,73.88 -73.88,73.88 -73.129,73.88 -56.871,73.871 -56.12,73.871 -55.371,73.871 -54.6,73.871 -53.871,73.871 -36.88,73.885 -36.129,73.88 -35.4,73.88 -34.629,73.88 -33.88,73.88 -33.129,73.88 -16.871,73.871 -16.12,73.871 -15.371,73.871 -14.6,73.871 -13.871,73.871 -76.129,74.629 -75.4,74.629 -74.629,74.629 -73.88,74.629 -73.129,74.629 -56.865,74.625 -56.115,74.625 -55.365,74.625 -54.595,74.625 -53.865,74.625 -53.115,74.62 -36.129,74.629 -35.4,74.629 -34.629,74.629 -33.88,74.629 -33.129,74.629 -16.865,74.625 -16.115,74.625 -15.365,74.625 -14.595,74.625 -13.865,74.625 -13.115,74.62 -76.88,74.635 -36.88,74.635 -53.12,75.365 -13.12,75.365 -76.885,75.38 -76.135,75.375 -75.405,75.375 -74.635,75.375 -73.885,75.375 -73.135,75.375 -56.871,75.371 -56.12,75.371 -55.371,75.371 -54.6,75.371 -53.871,75.371 -36.885,75.38 -36.135,75.375 -35.405,75.375 -34.635,75.375 -33.885,75.375 -33.135,75.375 -16.871,75.371 -16.12,75.371 -15.371,75.371 -14.6,75.371 -13.871,75.371 -76.129,76.129 -75.4,76.129 -74.629,76.129 -73.88,76.129 -73.129,76.129 -56.871,76.12 -56.12,76.12 -55.371,76.12 -54.6,76.12 -53.871,76.12 -53.12,76.115 -36.129,76.129 -35.4,76.129 -34.629,76.129 -33.88,76.129 -33.129,76.129 -16.871,76.12 -16.12,76.12 -15.371,76.12 -14.6,76.12 -13.871,76.12 -13.12,76.115 -76.88,76.135 -36.88,76.135 -76.885,76.885 -76.135,76.88 -75.405,76.88 -74.635,76.88 -73.885,76.88 -73.135,76.88 -56.885,76.88 -56.135,76.88 -55.385,76.88 -54.615,76.88 -53.885,76.88 -53.135,76.875 -36.885,76.885 -36.135,76.88 -35.405,76.88 -34.635,76.88 -33.885,76.88 -33.135,76.88 -16.885,76.88 -16.135,76.88 -15.385,76.88 -14.615,76.88 -13.885,76.88 -13.135,76.875
GREEN: D2.2 U1.47 | length 10.9
  Top Layer w0.25: D2.2@-26.85,113.15 -26.15,113.85 -25.25,113.85 -24.742,114.358 -21.608,114.358 -20.916,113.666 -18.312,113.666 -17.75,114.228 U1.47@-17.75,115
HO1: Q1P_1.4 U1P_1.1 | length 1.9
  Top Layer w0.25: -82,115.45 -81.9,115.45 -81.575,115.125 U1P_1.1@-81.3,115.125
  Top Layer w0.45: -83.045,115.45 -82,115.45
HO2: Q1P_2.4 U1P_2.1 | length 2.9
  Top Layer w0.45: Q1P_2.4@-67.82,116.332 -67.332,116.332 -66.45,115.45 ; -66.65,115.45 -66.45,115.45 ; -65.5,115.45 -66.45,115.45
HO3: Q1P_3.4 U1P_3.1 | length 2.9
  Top Layer w0.45: Q1P_3.4@-51.92,116.332 -51.432,116.332 -50.55,115.45 ; -50.75,115.45 -50.55,115.45 ; -49.6,115.45 -50.55,115.45
LDO3.3V-5.0V: R27.2 R30.1 U6.5 U6.8 | length 10.6
  Top Layer w0.4: R27.2@-7.25,97.75 -5.567,97.75 U6.8@-5.367,97.55 -5.367,96.438 -4.929,96 -1.804,96 -1.557,96.248 -1.557,99.143 R30.1@-1.2,99.5
LDO5.0V: C15.1 D7.2 D8.1 R25.1 R26.2 R30.2 U3.1 U3.3 U7.5 U7.8 | length 63.9
  Top Layer w0.5: R26.2@-30.5,112.25 -30.375,112.125 v1(-30.375,110.75) ; R25.1@-9.133,118.45 -8.633,117.95 -8.633,117.315 -8.363,117.045 U7.8@-7.3,117.045 -6.08,117.045 -5.8,117.325 -5.8,118.025 -4.925,118.025 -4.5,118.45 v1(-4.5,118.95) -4.5,119.65 -4.775,119.925 -5.8,119.925 -5.8,120.496 -6.159,120.855 ; U7.5@-7.3,120.855 -6.159,120.855 ; C15.1@-6.65,123 -6.65,121.346 -6.159,120.855 ; R30.2@-2.8,99.5 v1(-2.8,100.5)
  Mid-Top Layer w0.3: v1(-4.5,118.95) -3.25,117.7 -3.25,112.25 v1(-4,111.5) -3.252,110.752 -3.252,106.96 -3.25,106.957 -3.25,104.204 -3.252,104.201 -3.252,100.952 v1(-2.8,100.5)
  Mid-Bottom Layer w0.5: v1(-30.375,110.75) -29.55,109.925 -17.589,109.925 -16.764,110.75 -4.558,110.75 ; -4.364,110.75 -4.558,110.75 ; v1(-4,111.5) -4,111.089 -4.339,110.75 -4.558,110.75
LM12V: D9.1 R28.1 U2.8 U4.1 U5.1 | length 9.9
  Top Layer w0.25: D9.1@-44.5,125.5 D9.1@-44,125
  Top Layer w0.5: D9.1@-44.5,125.5 R28.1@-44.5,128.5 ; D9.1@-44,125 -43.7,124.7 -43.7,122.7 -43.305,122.305 U4.1@-40.1,122.305
LO1: Q2P_1.4 Q3P_1.4 U1P_1.3 | length 9.9
  Top Layer w0.25: Q2P_1.4@-82.7,114.1 -82.575,114.225 U1P_1.3@-81.3,114.225
  Top Layer w0.45: Q3P_1.4@-82.75,107.855 -83.755,107.855 -83.875,107.975 -83.875,113.987 -83.762,114.1 Q2P_1.4@-82.7,114.1
LO2: Q2P_2.4 Q3P_2.4 U1P_2.3 | length 9.7
  Top Layer w0.25: Q2P_2.4@-66.55,114.225 U1P_2.3@-65.3,114.225 U1P_2.3@-65.275,114.225
  Top Layer w0.45: Q3P_2.4@-66.75,107.855 -67.755,107.855 -67.875,107.975 -67.875,113.987 -67.762,114.1 Q2P_2.4@-66.7,114.1